# Allegro board TDI_KU5P_QSFP28_CXP_V001-20240805_1841.brd (continued)
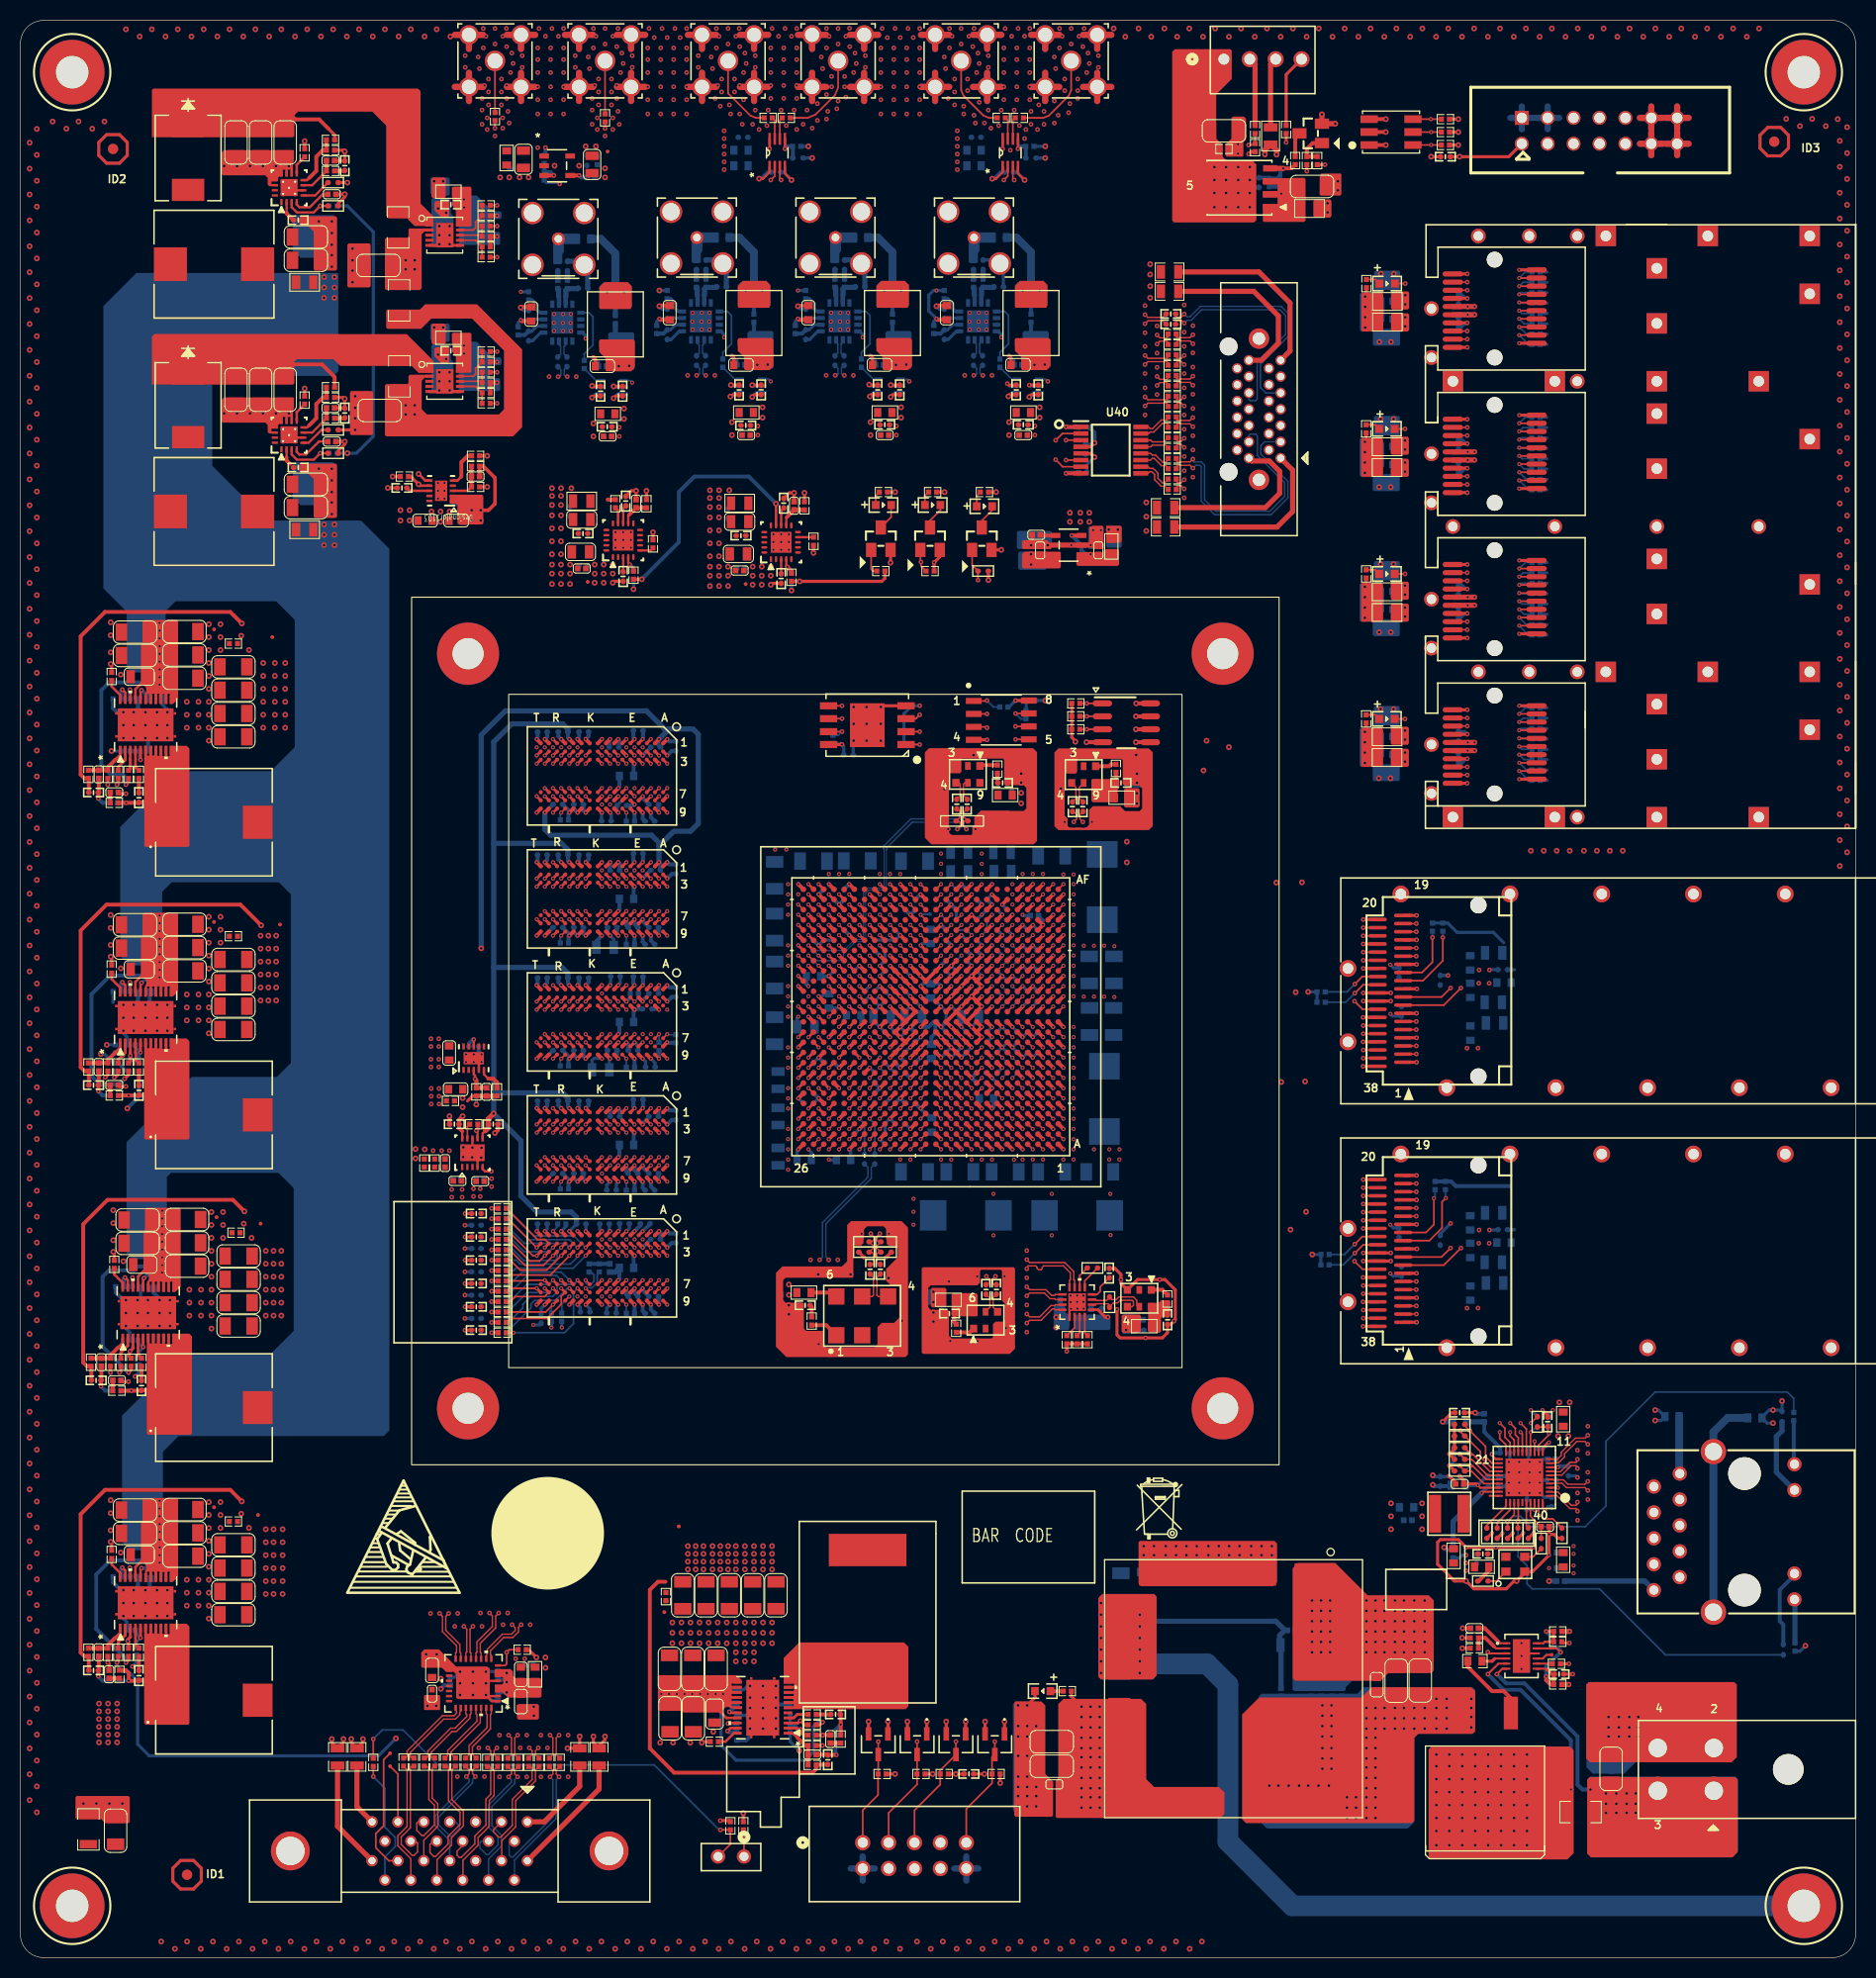
[diagram p0: board, top side]
## Nets (continued)
CHA_FPGA_DDR4_C1_D16: U1.AE17(IO_L17P_T2U_N8_AD10P_64) U6.G2(DQ0)
CHA_FPGA_DDR4_C1_D17: U1.AD19(IO_L14N_T2L_N3_GC_64) U6.F7(DQ1)
CHA_FPGA_DDR4_C1_D18: U1.AF17(IO_L17N_T2U_N9_AD10N_64) U6.H3(DQ2)
CHA_FPGA_DDR4_C1_D19: U1.AF19(IO_L15N_T2L_N5_AD11N_64) U6.H7(DQ3)
CHA_FPGA_DDR4_C1_D20: U1.AD16(IO_L18P_T2U_N10_AD2P_64) U6.H2(DQ4)
CHA_FPGA_DDR4_C1_D21: U1.AC19(IO_L14P_T2L_N2_GC_64) U6.H8(DQ5)
CHA_FPGA_DDR4_C1_D22: U1.AE16(IO_L18N_T2U_N11_AD2N_64) U6.J3(DQ6)
CHA_FPGA_DDR4_C1_D23: U1.AF18(IO_L15P_T2L_N4_AD11P_64) U6.J7(DQ7)
CHA_FPGA_DDR4_C1_D24: U1.Y17(IO_L23P_T3U_N8_64) U6.A3(DQ8)
CHA_FPGA_DDR4_C1_D25: U1.AA18(IO_L24N_T3U_N11_64) U6.B8(DQ9)
CHA_FPGA_DDR4_C1_D26: U1.AA17(IO_L23N_T3U_N9_64) U6.C3(DQ10)
CHA_FPGA_DDR4_C1_D27: U1.AB19(IO_L20N_T3L_N3_AD1N_64) U6.C7(DQ11)
CHA_FPGA_DDR4_C1_D28: U1.AB20(IO_L21N_T3L_N5_AD8N_64) U6.C2(DQ12)
CHA_FPGA_DDR4_C1_D29: U1.AA19(IO_L20P_T3L_N2_AD1P_64) U6.C8(DQ13)
CHA_FPGA_DDR4_C1_D30: U1.AA20(IO_L21P_T3L_N4_AD8P_64) U6.D3(DQ14)
CHA_FPGA_DDR4_C1_D31: TP14.1(PIN1) U1.Y18(IO_L24P_T3U_N10_64) U6.D7(DQ15)
CHA_FPGA_DDR4_C1_D32: U1.L20(IO_L6P_T0U_N10_AD6P_66) U7.G2(DQ0)
CHA_FPGA_DDR4_C1_D33: U1.K21(IO_L5P_T0U_N8_AD14P_66) U7.F7(DQ1)
CHA_FPGA_DDR4_C1_D34: U1.M21(IO_L2N_T0L_N3_66) U7.H3(DQ2)
CHA_FPGA_DDR4_C1_D35: U1.J20(IO_L3N_T0L_N5_AD15N_66) U7.H7(DQ3)
CHA_FPGA_DDR4_C1_D36: U1.J21(IO_L5N_T0U_N9_AD14N_66) U7.H2(DQ4)
CHA_FPGA_DDR4_C1_D37: U1.J19(IO_L3P_T0L_N4_AD15P_66) U7.H8(DQ5)
CHA_FPGA_DDR4_C1_D38: U1.M20(IO_L2P_T0L_N2_66) U7.J3(DQ6)
CHA_FPGA_DDR4_C1_D39: U1.K20(IO_L6N_T0U_N11_AD6N_66) U7.J7(DQ7)
CHA_FPGA_DDR4_C1_D40: U1.K25(IO_L9P_T1L_N4_AD12P_66) U7.A3(DQ8)
CHA_FPGA_DDR4_C1_D41: U1.K22(IO_L11P_T1U_N8_GC_66) U7.B8(DQ9)
CHA_FPGA_DDR4_C1_D42: U1.M25(IO_L8P_T1L_N2_AD5P_66) U7.C3(DQ10)
CHA_FPGA_DDR4_C1_D43: U1.J24(IO_L12N_T1U_N11_GC_66) U7.C7(DQ11)
CHA_FPGA_DDR4_C1_D44: U1.M26(IO_L8N_T1L_N3_AD5N_66) U7.C2(DQ12)
CHA_FPGA_DDR4_C1_D45: U1.J23(IO_L12P_T1U_N10_GC_66) U7.C8(DQ13)
CHA_FPGA_DDR4_C1_D46: U1.K23(IO_L11N_T1U_N9_GC_66) U7.D3(DQ14)
CHA_FPGA_DDR4_C1_D47: TP18.1(PIN1) U1.K26(IO_L9N_T1L_N5_AD12N_66) U7.D7(DQ15)
CHA_FPGA_DDR4_C1_D48: U1.H24(IO_L14N_T2L_N3_GC_66) U9.G2(DQ0)
CHA_FPGA_DDR4_C1_D49: U1.H23(IO_L14P_T2L_N2_GC_66) U9.F7(DQ1)
CHA_FPGA_DDR4_C1_D50: U1.J26(IO_L15N_T2L_N5_AD11N_66) U9.H3(DQ2)
CHA_FPGA_DDR4_C1_D51: U1.H22(IO_L18N_T2U_N11_AD2N_66) U9.H7(DQ3)
CHA_FPGA_DDR4_C1_D52: U1.H26(IO_L17P_T2U_N8_AD10P_66) U9.H2(DQ4)
CHA_FPGA_DDR4_C1_D53: U1.H21(IO_L18P_T2U_N10_AD2P_66) U9.H8(DQ5)
CHA_FPGA_DDR4_C1_D54: U1.J25(IO_L15P_T2L_N4_AD11P_66) U9.J3(DQ6)
CHA_FPGA_DDR4_C1_D55: U1.G26(IO_L17N_T2U_N9_AD10N_66) U9.J7(DQ7)
CHA_FPGA_DDR4_C1_D56: U1.D24(IO_L21P_T3L_N4_AD8P_66) U9.A3(DQ8)
CHA_FPGA_DDR4_C1_D57: U1.C26(IO_L23N_T3U_N9_66) U9.B8(DQ9)
CHA_FPGA_DDR4_C1_D58: U1.E23(IO_L20N_T3L_N3_AD1N_66) U9.C3(DQ10)
CHA_FPGA_DDR4_C1_D59: U1.D26(IO_L23P_T3U_N8_66) U9.C7(DQ11)
CHA_FPGA_DDR4_C1_D60: U1.F23(IO_L20P_T3L_N2_AD1P_66) U9.C2(DQ12)
CHA_FPGA_DDR4_C1_D61: U1.D25(IO_L21N_T3L_N5_AD8N_66) U9.C8(DQ13)
CHA_FPGA_DDR4_C1_D62: U1.B26(IO_L24N_T3U_N11_66) U9.D3(DQ14)
CHA_FPGA_DDR4_C1_D63: TP23.1(PIN1) U1.B25(IO_L24P_T3U_N10_66) U9.D7(DQ15)
CHA_FPGA_DDR4_C1_D64: U1.R20(IO_L21P_T3L_N4_AD8P_D06_65) U8.G2(DQ0)
CHA_FPGA_DDR4_C1_D65: U1.N22(IO_L24N_T3U_N11_DOUT_CSO_B_65) U8.F7(DQ1)
CHA_FPGA_DDR4_C1_D66: U1.P21(IO_L20N_T3L_N3_AD1N_D09_65) U8.H3(DQ2)
CHA_FPGA_DDR4_C1_D67: U1.P19(IO_L23N_T3U_N9_PERSTN1_I2C_SDA_) U8.H7(DQ3)
CHA_FPGA_DDR4_C1_D68: U1.R21(IO_L21N_T3L_N5_AD8N_D07_65) U8.H2(DQ4)
CHA_FPGA_DDR4_C1_D69: U1.N21(IO_L24P_T3U_N10_EMCCLK_65) U8.H8(DQ5)
CHA_FPGA_DDR4_C1_D70: U1.P20(IO_L20P_T3L_N2_AD1P_D08_65) U8.J3(DQ6)
CHA_FPGA_DDR4_C1_D71: TP17.1(PIN1) U1.N19(IO_L23P_T3U_N8_I2C_SCLK_65) U8.J7(DQ7)
CHA_FPGA_DDR4_C1_DM0: U1.AE25(IO_L1P_T0L_N0_DBC_64) U5.E7(LDM_N/LDBI_N)
CHA_FPGA_DDR4_C1_DM1: U1.AE22(IO_L7P_T1L_N0_QBC_AD13P_64) U5.E2(UDM_N/UDBI_N)
CHA_FPGA_DDR4_C1_DM2: U1.AD20(IO_L13P_T2L_N0_GC_QBC_64) U6.E7(LDM_N/LDBI_N)
CHA_FPGA_DDR4_C1_DM3: U1.Y20(IO_L19P_T3L_N0_DBC_AD9P_64) U6.E2(UDM_N/UDBI_N)
CHA_FPGA_DDR4_C1_DM4: U1.L18(IO_L1P_T0L_N0_DBC_66) U7.E7(LDM_N/LDBI_N)
CHA_FPGA_DDR4_C1_DM5: U1.L22(IO_L7P_T1L_N0_QBC_AD13P_66) U7.E2(UDM_N/UDBI_N)
CHA_FPGA_DDR4_C1_DM6: U1.G24(IO_L13P_T2L_N0_GC_QBC_66) U9.E7(LDM_N/LDBI_N)
CHA_FPGA_DDR4_C1_DM7: U1.E25(IO_L19P_T3L_N0_DBC_AD9P_66) U9.E2(UDM_N/UDBI_N)
CHA_FPGA_DDR4_C1_DM8: U1.R22(IO_L19P_T3L_N0_DBC_AD9P_D10_65) U8.E7(LDM_N/LDBI_N)
CHA_FPGA_DDR4_C1_DQS0_N: U1.AD26(IO_L4N_T0U_N7_DBC_AD7N_64) U5.F3(LDQS_C)
CHA_FPGA_DDR4_C1_DQS0_P: U1.AC26(IO_L4P_T0U_N6_DBC_AD7P_64) U5.G3(LDQS_T)
CHA_FPGA_DDR4_C1_DQS1_N: TP13.1(PIN1) U1.AB22(IO_L10N_T1U_N7_QBC_AD4N_64) U5.A7(UDQS_C)
CHA_FPGA_DDR4_C1_DQS1_P: TP12.1(PIN1) U1.AA22(IO_L10P_T1U_N6_QBC_AD4P_64) U5.B7(UDQS_T)
CHA_FPGA_DDR4_C1_DQS2_N: U1.AD18(IO_L16N_T2U_N7_QBC_AD3N_64) U6.F3(LDQS_C)
CHA_FPGA_DDR4_C1_DQS2_P: U1.AC18(IO_L16P_T2U_N6_QBC_AD3P_64) U6.G3(LDQS_T)
CHA_FPGA_DDR4_C1_DQS3_N: TP16.1(PIN1) U1.AC17(IO_L22N_T3U_N7_DBC_AD0N_64) U6.A7(UDQS_C)
CHA_FPGA_DDR4_C1_DQS3_P: TP15.1(PIN1) U1.AB17(IO_L22P_T3U_N6_DBC_AD0P_64) U6.B7(UDQS_T)
CHA_FPGA_DDR4_C1_DQS4_N: U1.L19(IO_L4N_T0U_N7_DBC_AD7N_66) U7.F3(LDQS_C)
CHA_FPGA_DDR4_C1_DQS4_P: U1.M19(IO_L4P_T0U_N6_DBC_AD7P_66) U7.G3(LDQS_T)
CHA_FPGA_DDR4_C1_DQS5_N: TP22.1(PIN1) U1.L25(IO_L10N_T1U_N7_QBC_AD4N_66) U7.A7(UDQS_C)
CHA_FPGA_DDR4_C1_DQS5_P: TP21.1(PIN1) U1.L24(IO_L10P_T1U_N6_QBC_AD4P_66) U7.B7(UDQS_T)
CHA_FPGA_DDR4_C1_DQS6_N: U1.F25(IO_L16N_T2U_N7_QBC_AD3N_66) U9.F3(LDQS_C)
CHA_FPGA_DDR4_C1_DQS6_P: U1.F24(IO_L16P_T2U_N6_QBC_AD3P_66) U9.G3(LDQS_T)
CHA_FPGA_DDR4_C1_DQS7_N: TP25.1(PIN1) U1.C24(IO_L22N_T3U_N7_DBC_AD0N_66) U9.A7(UDQS_C)
CHA_FPGA_DDR4_C1_DQS7_P: TP24.1(PIN1) U1.D23(IO_L22P_T3U_N6_DBC_AD0P_66) U9.B7(UDQS_T)
CHA_FPGA_DDR4_C1_DQS8_N: TP20.1(PIN1) U1.P23(IO_L22N_T3U_N7_DBC_AD0N_D05_65) U8.F3(LDQS_C)
CHA_FPGA_DDR4_C1_DQS8_P: TP19.1(PIN1) U1.N23(IO_L22P_T3U_N6_DBC_AD0P_D04_65) U8.G3(LDQS_T)
CHA_FPGA_DDR4_C1_ODT: R94.1 U1.Y25(IO_L8P_T1L_N2_AD5P_A16_65) U5.K3(ODT) U6.K3(ODT) U7.K3(ODT) U8.K3(ODT) U9.K3(ODT)
CHA_FPGA_DDR4_C1_PARITY: R99.1 U1.U21(IO_L2P_T0L_N2_FOE_B_65) U5.T3(PAR) U6.T3(PAR) U7.T3(PAR) U8.T3(PAR) U9.T3(PAR)
CHA_FPGA_DDR4_C1_RAS: R90.1 U1.T22(IO_L5P_T0U_N8_AD14P_A22_65) U5.L8(RAS_N/A16) U6.L8(RAS_N/A16) U7.L8(RAS_N/A16) U8.L8(RAS_N/A16) U9.L8(RAS_N/A16)
CHA_FPGA_DDR4_C1_RESET: R69.2 U1.U19(IO_L1P_T0L_N0_DBC_RS0_65) U5.P1(RESET_N) U6.P1(RESET_N) U7.P1(RESET_N) U8.P1(RESET_N) U9.P1(RESET_N)
CHA_FPGA_DDR4_C1_WE: R93.1 U1.AA24(IO_L9P_T1L_N4_AD12P_A14_D30_65) U5.L2(WE_N/A14) U6.L2(WE_N/A14) U7.L2(WE_N/A14) U8.L2(WE_N/A14) U9.L2(WE_N/A14)
CHA_FPGA_DONE_B: Q1.1(GATE) R9.2 U1.AB11(DONE_0)
CHA_FPGA_INIT_B: R2.2 U1.W10(INIT_B_0)
CHA_FPGA_MODE0: R14.2 R15.1 U1.AA10(M0_0)
CHA_FPGA_MODE1: R12.2 R13.1 U1.AA9(M1_0)
CHA_FPGA_MODE2: R10.2 R11.1 U1.AF12(M2_0)
CHA_FPGA_POR_OVERRIDE: R7.2 R8.1 U1.Y12(POR_OVERRIDE)
CHA_FPGA_PROG_B: R3.2 U1.AB9(PROGRAM_B_0)
CHA_FPGA_PUDC_B: R4.2 R5.1 U1.W9(PUDC_B_0)
CHA_FPGA_TCK: D4.3 J1.1 R19.1 U1.AE12(TCK_0)
CHA_FPGA_TDI: D1.3 J1.9 R22.1 U1.AB12(TDI_0)
CHA_FPGA_TDO: D3.3 J1.3 R20.1 U1.Y10(TDO_0)
CHA_FPGA_TMS: D2.3 J1.5 R21.1 U1.AB10(TMS_0)
CHA_GPIO_3V3_0: U1.W16(IO_L9P_AD3P_84) U40.2(DIN1)
CHA_GPIO_3V3_1: U1.AB16(IO_L6N_HDGC_AD6N_84) U40.3(DIN2)
CHA_GPIO_3V3_2: U1.AE15(IO_L3N_AD9N_84) U40.6(DIN3)
CHA_GPIO_3V3_3: U1.AF15(IO_L1N_AD11N_84) U40.7(DIN4)
CHA_GPIO_3V3_4: U1.G12(IO_L5P_HDGC_87) U41.2(A1)
CHA_GPIO_3V3_5: U1.G11(IO_L4N_AD8N_86) U41.3(A2)
CHA_GPIO_3V3_6: U1.Y13(IO_L11P_AD1P_84) U42.2(A1)
CHA_GPIO_3V3_7: U1.W13(IO_L12N_AD0N_84) U42.3(A2)
CHA_GPIO_3V3_8: J3.5 U1.J10(IO_L2N_AD10N_86)
CHA_GPIO_3V3_9: J3.7 U1.J9(IO_L3P_AD9P_86)
CHA_GPIO_3V3_10: J3.9 U1.G9(IO_L5N_HDGC_AD7N_86)
CHA_GPIO_3V3_11: J3.6 U1.K10(IO_L1P_AD11P_86)
CHA_GPIO_3V3_12: J3.8 U1.K9(IO_L1N_AD11N_86)
CHA_GPIO_3V3_13: J3.10 U1.H9(IO_L3N_AD9N_86)
CHA_GPIO_3V3_14: R360.1 U1.AD13(IO_L4P_AD8P_84)
CHA_GPIO_3V3_15: R357.1 U1.AA13(IO_L11N_AD1N_84)
CHA_MGTAVCC: C113.1(CAP2) C114.1(CAP2) C115.1(CAP2) C116.1(CAP2) C117.1(CAP2) C118.1(CAP2) C119.1(CAP2) C120.1(CAP2) C121.1(CAP2) C122.1(CAP2) C123.2(CAP1) C124.2(CAP1) C125.2(CAP1) C126.2(CAP1) C127.2(CAP1) C128.1(CAP2) C129.1(CAP2) C130.1(CAP2) C131.1(CAP2) C132.1(CAP2) C370.1 C371.1 C372.1 C373.1(CAP2) R218.2 TP30.1(PIN1) U1.AA7(MGTAVCC1_R) U1.AC7(MGTAVCC2_R) U1.J7(MGTAVCC3_R) U1.L7(MGTAVCC4_R) U1.N7(MGTAVCC5_R) U1.W7(MGTAVCC6_R) U23.1(OUT) U23.2(SNS) U23.19(OUT_1) U23.20(OUT_2)
CHA_MGTAVCC_GOOD: R216.1 U24.14(EN)
CHA_MGTAVTT: C92.1(CAP2) C93.1(CAP2) C94.1(CAP2) C95.1(CAP2) C96.1(CAP2) C97.2(CAP1) C98.2(CAP1) C99.2(CAP1) C100.2(CAP1) C101.2(CAP1) C102.1(CAP2) C103.1(CAP2) C104.1(CAP2) C105.1(CAP2) C106.1(CAP2) C379.1 C380.1 C381.1 C382.1(CAP2) R55.1 R225.2 TP31.1(PIN1) U1.A7(MGTAVTT1_R) U1.AB5(MGTAVTT2_R) U1.AD8(MGTAVTTRCAL_R) U1.AE7(MGTAVTT3_R) U1.C7(MGTAVTT4_R) U1.E7(MGTAVTT5_R) U1.F5(MGTAVTT6_R) U1.G7(MGTAVTT7_R) U1.H5(MGTAVTT8_R) U1.K5(MGTAVTT9_R) U1.M5(MGTAVTT10_R) U1.P5(MGTAVTT11_R) U1.T5(MGTAVTT12_R) U1.V5(MGTAVTT13_R) U1.Y5(MGTAVTT14_R) U24.1(OUT) U24.2(SNS) U24.19(OUT_1) U24.20(OUT_2)
CHA_MGTAVTT_GOOD: R222.1 R224.2 R281.2
CHA_MGTH224_RXN0: C285.2(CAP1) U1.AF1(MGTYRXN0_224)
CHA_MGTH224_RXN1: C281.2(CAP1) U1.AE3(MGTYRXN1_224)
CHA_MGTH224_RXN2: C309.2(CAP1) U1.AD1(MGTYRXN2_224)
CHA_MGTH224_RXN3: C305.2(CAP1) U1.AB1(MGTYRXN3_224)
CHA_MGTH224_RXP0: C283.2(CAP1) U1.AF2(MGTYRXP0_224)
CHA_MGTH224_RXP1: C279.2(CAP1) U1.AE4(MGTYRXP1_224)
CHA_MGTH224_RXP2: C307.2(CAP1) U1.AD2(MGTYRXP2_224)
CHA_MGTH224_RXP3: C303.2(CAP1) U1.AB2(MGTYRXP3_224)
CHA_MGTH_224_CLK0_N: C47.2(CAP1) X2.5(CLKN)
CHA_MGTH_224_CLK0_P: C46.2(CAP1) X2.4(CLKP)
CHA_MGTH_225_CLK0_N: C49.2(CAP1) U38.16(OUT3_N)
CHA_MGTH_225_CLK0_P: C48.2(CAP1) U38.15(OUT3_P)
CHA_MGTH_226_CLK0_N: C53.2(CAP1) U38.14(OUT2_N)
CHA_MGTH_226_CLK0_P: C51.2(CAP1) U38.13(OUT2_P)
CHA_MGTH_226_CLK1_N: C55.2(CAP1) X3.5(CLKN)
CHA_MGTH_226_CLK1_P: C54.2(CAP1) X3.4(CLKP)
CHA_MGTH_227_CLK0_N: C52.2(CAP1) U38.12(OUT1_N)
CHA_MGTH_227_CLK0_P: C50.2(CAP1) U38.11(OUT1_P)
CHA_MGTVCCAUX: C107.1 C108.1(CAP2) C109.1(CAP2) C110.1(CAP2) C111.1(CAP2) C112.1(CAP2) C448.1 C449.1 R279.2 TP40.1(PIN1) U1.R7(MGTVCCAUX1_R) U1.U7(MGTVCCAUX2_R) U30.5(VOUT)
CHA_QSFP0_I2C_SCL: J4.11(SCL) R102.2 U1.D14(IO_L8P_HDGC_87)
CHA_QSFP0_I2C_SDA: J4.12(SDA) R103.2 U1.E12(IO_L7N_HDGC_87)
CHA_QSFP0_INTL: J4.28(INTL) R105.2 U1.E11(IO_L7P_HDGC_AD5P_86)
CHA_QSFP0_LPMODE: J4.31(LPMODE) U1.F13(IO_L6N_HDGC_87)
CHA_QSFP0_MODPRSL: J4.27(MODPRSL) R104.2 U1.E13(IO_L7P_HDGC_87)
CHA_QSFP0_MODSEIL: J4.8(MODSELL) U1.G14(IO_L3N_AD13N_87)
CHA_QSFP0_RESETL: J4.9(RESETL) U1.F14(IO_L6P_HDGC_87)
CHA_QSFP0_RX0_N: J4.18(RX1N) U1.D1(MGTYRXN0_227)
CHA_QSFP0_RX0_P: J4.17(RX1P) U1.D2(MGTYRXP0_227)
CHA_QSFP0_RX1_N: J4.21(RX2N) U1.C3(MGTYRXN1_227)
CHA_QSFP0_RX1_P: J4.22(RX2P) U1.C4(MGTYRXP1_227)
CHA_QSFP0_RX2_N: J4.15(RX3N) U1.B1(MGTYRXN2_227)
CHA_QSFP0_RX2_P: J4.14(RX3P) U1.B2(MGTYRXP2_227)
CHA_QSFP0_RX3_N: J4.24(RX4N) U1.A3(MGTYRXN3_227)
CHA_QSFP0_RX3_P: J4.25(RX4P) U1.A4(MGTYRXP3_227)
CHA_QSFP0_TX0_N: J4.37(TX1N) U1.F6(MGTYTXN0_227)
CHA_QSFP0_TX0_P: J4.36(TX1P) U1.F7(MGTYTXP0_227)
CHA_QSFP0_TX1_N: J4.2(TX2N) U1.E4(MGTYTXN1_227)
CHA_QSFP0_TX1_P: J4.3(TX2P) U1.E5(MGTYTXP1_227)
CHA_QSFP0_TX2_N: J4.34(TX3N) U1.D6(MGTYTXN2_227)
CHA_QSFP0_TX2_P: J4.33(TX3P) U1.D7(MGTYTXP2_227)
CHA_QSFP0_TX3_N: J4.5(TX4N) U1.B6(MGTYTXN3_227)
CHA_QSFP0_TX3_P: J4.6(TX4P) U1.B7(MGTYTXP3_227)
CHA_QSFP0_VCCI: C230.1 C231.1(CAP2) J4.30(VCCL) L6.2
CHA_QSFP0_VCCRX: C226.1 C227.1(CAP2) J4.10(VCCRX) L4.2
CHA_QSFP0_VCCTX: C228.1 C229.1(CAP2) J4.29(VCCTX) L5.2
CHA_QSFP1_I2C_SCL: J6.11(SCL) R106.2 U1.B12(IO_L10N_AD10N_87)
CHA_QSFP1_I2C_SDA: J6.12(SDA) R107.2 U1.A13(IO_L11P_AD9P_87)
CHA_QSFP1_INTL: J6.28(INTL) R109.2 U1.D13(IO_L8N_HDGC_87)
CHA_QSFP1_LPMODE: J6.31(LPMODE) U1.B14(IO_L12P_AD8P_87)
CHA_QSFP1_MODPRSL: J6.27(MODPRSL) R108.2 U1.C13(IO_L9N_AD11N_87)
CHA_QSFP1_MODSEIL: J6.8(MODSELL) U1.C14(IO_L9P_AD11P_87)
CHA_QSFP1_RESETL: J6.9(RESETL) U1.A14(IO_L12N_AD8N_87)
CHA_QSFP1_RX0_N: J6.18(RX1N) U1.M1(MGTYRXN0_226)
CHA_QSFP1_RX0_P: J6.17(RX1P) U1.M2(MGTYRXP0_226)
CHA_QSFP1_RX1_N: J6.21(RX2N) U1.K1(MGTYRXN1_226)
CHA_QSFP1_RX1_P: J6.22(RX2P) U1.K2(MGTYRXP1_226)
CHA_QSFP1_RX2_N: J6.15(RX3N) U1.H1(MGTYRXN2_226)
CHA_QSFP1_RX2_P: J6.14(RX3P) U1.H2(MGTYRXP2_226)
CHA_QSFP1_RX3_N: J6.24(RX4N) U1.F1(MGTYRXN3_226)
CHA_QSFP1_RX3_P: J6.25(RX4P) U1.F2(MGTYRXP3_226)
CHA_QSFP1_TX0_N: J6.37(TX1N) U1.N4(MGTYTXN0_226)
CHA_QSFP1_TX0_P: J6.36(TX1P) U1.N5(MGTYTXP0_226)
CHA_QSFP1_TX1_N: J6.2(TX2N) U1.L4(MGTYTXN1_226)
CHA_QSFP1_TX1_P: J6.3(TX2P) U1.L5(MGTYTXP1_226)
CHA_QSFP1_TX2_N: J6.34(TX3N) U1.J4(MGTYTXN2_226)
CHA_QSFP1_TX2_P: J6.33(TX3P) U1.J5(MGTYTXP2_226)
CHA_QSFP1_TX3_N: J6.5(TX4N) U1.G4(MGTYTXN3_226)
CHA_QSFP1_TX3_P: J6.6(TX4P) U1.G5(MGTYTXP3_226)
CHA_QSFP1_VCCI: C238.1 C239.1(CAP2) J6.30(VCCL) L9.2
CHA_QSFP1_VCCRX: C234.1 C235.1(CAP2) J6.10(VCCRX) L7.2
CHA_QSFP1_VCCTX: C236.1 C237.1(CAP2) J6.29(VCCTX) L8.2
CHA_QSPI_FLASH_CE_B: R16.2 U1.AA12(RDWR_FCS_B_0) U2.1(C\S\)
CHA_QSPI_FLASH_CLK: R1.1 U2.6(CLK)
CHA_QSPI_FLASH_D0: U1.AD11(D00_MOSI_0) U2.5(DI/IO0)
CHA_QSPI_FLASH_D1: U1.AC12(D01_DIN_0) U2.2(DO/IO1)
CHA_QSPI_FLASH_D2: R17.2 U1.AC11(D02_0) U2.3(\W\P\/IO2)
CHA_QSPI_FLASH_D3: R18.2 U1.AE11(D03_0) U2.7(\H\O\L\D\/IO3)
CHA_SFP0_VCCRX: C245.1 C246.1(CAP2) L10.2 P1.A15(A_VCCR)
CHA_SFP0_VCCTX: C240.1(CAP2) C247.1 L11.2 P1.A16(A_VCCT)
CHA_SFP1_VCCRX: C241.1 C242.1(CAP2) L12.2 P1.B15(B_VCCR)
CHA_SFP1_VCCTX: C250.1 C251.1(CAP2) L13.2 P1.B16(B_VCCT)
CHA_SFP2_VCCRX: C254.1 C255.1(CAP2) L14.2 P1.C15(C_VCCR)
CHA_SFP2_VCCTX: C256.1 C257.1(CAP2) L15.2 P1.C16(C_VCCT)
CHA_SFP3_VCCRX: C260.1 C261.1(CAP2) L16.2 P1.D15(D_VCCR)
CHA_SFP3_VCCTX: C262.1 C263.1(CAP2) L17.2 P1.D16(D_VCCT)
CHA_SFP+_0_LOS: DS4.2 P1.A8(A_LOS) R117.2 U1.B11(IO_L12N_AD0N_86)
CHA_SFP+_0_MOD_DETECT: P1.A6(A_MOD_ABS) R115.2 U1.D11(IO_L8P_HDGC_AD4P_86)
CHA_SFP+_0_RS0: P1.A7(A_RS0) R111.2
CHA_SFP+_0_RS1: P1.A9(A_RS1) R116.2
CHA_SFP+_0_RXD_N: P1.A12(A_RXD_N) U1.P1(MGTYRXN3_225)
CHA_SFP+_0_RXD_P: P1.A13(A_RXD_P) U1.P2(MGTYRXP3_225)
CHA_SFP+_0_SCL: P1.A5(A_SCL) R114.2
CHA_SFP+_0_SDA: P1.A4(A_SDA) R110.2
CHA_SFP+_0_TX_DISABLE: P1.A3(A_TX_DISABLE) R113.2 U1.C12(IO_L10P_AD10P_87)
CHA_SFP+_0_TX_FAULT: P1.A2(A_TX_FAULT) R112.2 U1.A12(IO_L11N_AD9N_87)
CHA_SFP+_0_TXD_N: P1.A19(A_TXD_N) U1.R4(MGTYTXN3_225)
CHA_SFP+_0_TXD_P: P1.A18(A_TXD_P) U1.R5(MGTYTXP3_225)
CHA_SFP+_1_LOS: DS5.2 P1.B8(B_LOS) R125.2 U1.D10(IO_L8N_HDGC_AD4N_86)
CHA_SFP+_1_MOD_DETECT: P1.B6(B_MOD_ABS) R122.2 U1.B10(IO_L11P_AD1P_86)
CHA_SFP+_1_RS0: P1.B7(B_RS0) R123.2
CHA_SFP+_1_RS1: P1.B9(B_RS1) R124.2
CHA_SFP+_1_RXD_N: P1.B12(B_RXD_N) U1.T1(MGTYRXN2_225)
CHA_SFP+_1_RXD_P: P1.B13(B_RXD_P) U1.T2(MGTYRXP2_225)
CHA_SFP+_1_SCL: P1.B5(B_SCL) R121.2
CHA_SFP+_1_SDA: P1.B4(B_SDA) R120.2
CHA_SFP+_1_TX_DISABLE: P1.B3(B_TX_DISABLE) R119.2 U1.A10(IO_L11N_AD1N_86)
CHA_SFP+_1_TX_FAULT: P1.B2(B_TX_FAULT) R118.2 U1.C11(IO_L12P_AD0P_86)
CHA_SFP+_1_TXD_N: P1.B19(B_TXD_N) U1.U4(MGTYTXN2_225)
CHA_SFP+_1_TXD_P: P1.B18(B_TXD_P) U1.U5(MGTYTXP2_225)
CHA_SFP+_2_LOS: DS6.2 P1.C8(C_LOS) R133.2 U1.D9(IO_L9P_AD3P_86)
CHA_SFP+_2_MOD_DETECT: P1.C6(C_MOD_ABS) R130.2 U1.C9(IO_L9N_AD3N_86)
CHA_SFP+_2_RS0: P1.C7(C_RS0) R131.2
CHA_SFP+_2_RS1: P1.C9(C_RS1) R132.2
CHA_SFP+_2_RXD_N: P1.C12(C_RXD_N) U1.V1(MGTYRXN1_225)
CHA_SFP+_2_RXD_P: P1.C13(C_RXD_P) U1.V2(MGTYRXP1_225)
CHA_SFP+_2_SCL: P1.C5(C_SCL) R129.2
CHA_SFP+_2_SDA: P1.C4(C_SDA) R128.2
CHA_SFP+_2_TX_DISABLE: P1.C3(C_TX_DISABLE) R127.2 U1.B9(IO_L10P_AD2P_86)
CHA_SFP+_2_TX_FAULT: P1.C2(C_TX_FAULT) R126.2 U1.A9(IO_L10N_AD2N_86)
CHA_SFP+_2_TXD_N: P1.C19(C_TXD_N) U1.W4(MGTYTXN1_225)
CHA_SFP+_2_TXD_P: P1.C18(C_TXD_P) U1.W5(MGTYTXP1_225)
CHA_SFP+_3_LOS: DS7.2 P1.D8(D_LOS) R141.2 U1.F9(IO_L6N_HDGC_AD6N_86)
CHA_SFP+_3_MOD_DETECT: P1.D6(D_MOD_ABS) R138.2 U1.G10(IO_L5P_HDGC_AD7P_86)
CHA_SFP+_3_RS0: P1.D7(D_RS0) R139.2
CHA_SFP+_3_RS1: P1.D9(D_RS1) R140.2
CHA_SFP+_3_RXD_N: P1.D12(D_RXD_N) U1.Y1(MGTYRXN0_225)
CHA_SFP+_3_RXD_P: P1.D13(D_RXD_P) U1.Y2(MGTYRXP0_225)
CHA_SFP+_3_SCL: P1.D5(D_SCL) R137.2
CHA_SFP+_3_SDA: P1.D4(D_SDA) R136.2
CHA_SFP+_3_TX_DISABLE: P1.D3(D_TX_DISABLE) R135.2 U1.F10(IO_L6P_HDGC_AD6P_86)
CHA_SFP+_3_TX_FAULT: P1.D2(D_TX_FAULT) R134.2 U1.E10(IO_L7N_HDGC_AD5N_86)
CHA_SFP+_3_TXD_N: P1.D19(D_TXD_N) U1.AA4(MGTYTXN0_225)
CHA_SFP+_3_TXD_P: P1.D18(D_TXD_P) U1.AA5(MGTYTXP0_225)
CHA_TEMP_ALERT: R31.2 U1.AA15(IO_L7N_HDGC_AD5N_84) U4.3(ALERT)
CHA_TEMP_SCL: R30.2 U1.AB14(IO_L8N_HDGC_AD4N_84) U4.2(SCL)
CHA_TEMP_SDA: R29.2 U1.AB15(IO_L6P_HDGC_AD6P_84) U4.1(SDA)
CHA_VCCAUX: C86.1 C87.1 C88.1(CAP2) C89.1(CAP2) C90.1(CAP2) C91.1(CAP2) L3.1 U1.M18(VCCAUX1) U1.N18(VCCAUX2) U1.P18(VCCAUX1_IO) U1.R18(VCCAUX2_IO) U1.T18(VCCAUX3_IO)
CHA_VCCINT: C56.1 C57.1 C58.1 C59.1 C60.1(CAP2) C61.1(CAP2) C62.1(CAP2) C63.1(CAP2) C64.1(CAP2) C65.1(CAP2) C66.1(CAP2) C67.1 C68.1 C69.1(CAP2) C70.1(CAP2) C71.1(CAP2) C72.1(CAP2) C73.1(CAP2) C74.1(CAP2) C75.1(CAP2) C76.1(CAP2) C78.1(CAP2) C79.1(CAP2) C80.1(CAP2) C81.1(CAP2) C82.1(CAP2) C83.1(CAP2) C84.1(CAP2) C85.1(CAP2) C337.2(CAP1) C340.1(CAP2) C341.1(CAP2) C342.1(CAP2) C343.1(CAP2) C344.1(CAP2) L39.1 R7.1 R191.1 R198.2 TP26.1(PIN1) U1.K11(VCCINT1) U1.K13(VCCINT2) U1.K15(VCCINT3) U1.K17(VCCINT4) U1.L9(VCCINT1_IO) U1.L10(VCCINT5) U1.L12(VCCINT6) U1.L14(VCCINT7) U1.L16(VCCINT8) U1.M9(VCCINT4_IO) U1.M11(VCCINT9) U1.M13(VCCINT10) U1.M15(VCCINT11) U1.M17(VCCINT12) U1.N9(VCCINT3_IO) U1.N10(VCCINT13) U1.N12(VCCINT14) U1.N16(VCCINT15) U1.P9(VCCINT2_IO) U1.P11(VCCINT16) U1.P15(VCCINT17) U1.P17(VCCINT18) U1.R9(VCCBRAM1) U1.R10(VCCINT19) U1.R12(VCCINT20) U1.R16(VCCINT21) U1.T9(VCCBRAM2) U1.T11(VCCINT22) U1.T15(VCCINT23) U1.T17(VCCINT24) U1.U9(VCCBRAM3) U1.U10(VCCINT25) U1.U12(VCCINT26) U1.U14(VCCINT27) U1.U16(VCCINT28) U1.V9(VCCBRAM4) U1.V11(VCCINT29) U1.V13(VCCINT30) U1.V15(VCCINT31) U1.V17(VCCINT32)
CHA_VCCINT_EN: C351.1(CAP2) R200.2 R201.2 U21.2(EN)
CHA_VCCINT_GOOD: R199.2 R253.2 U21.3(PGOOD)
CLK_SEL: J2.2 R26.1 R384.1 U1.J15(IO_L4P_AD12P_87)
DDR4_1V2: C29.1 C30.1 C31.1(CAP2) C32.1(CAP2) C33.1(CAP2) C34.1 C35.1 C36.1(CAP2) C37.1(CAP2) C38.1(CAP2) C41.1 C42.1 C43.1(CAP2) C44.1(CAP2) C45.1(CAP2) C135.1 C136.1 C137.1(CAP2) C138.1(CAP2) C139.1(CAP2) C140.1(CAP2) C141.1(CAP2) C142.1(CAP2) C143.1 C144.1 C145.1 C146.1 C148.1 C149.1(CAP2) C150.1(CAP2) C151.1(CAP2) C152.1(CAP2) C153.1(CAP2) C154.1(CAP2) C155.1 C156.1 C157.1 C158.1 C162.1 C163.1(CAP2) C164.1(CAP2) C165.1(CAP2) C166.1(CAP2) C167.1(CAP2) C168.1(CAP2) C169.1 C170.1 C171.1 C172.1 C179.1 C180.1 C181.1(CAP2) C182.1(CAP2) C183.1(CAP2) C184.1(CAP2) C185.1(CAP2) C186.1(CAP2) C187.1 C188.1 C189.1 C190.1 C191.1 C192.1(CAP2) C193.1(CAP2) C194.1(CAP2) C195.1(CAP2) C196.1(CAP2) C197.1(CAP2) C198.1 C199.1 C200.1 C201.1 C217.1 C218.1 C223.2(CAP1) C387.2(CAP1) C390.1(CAP2) C391.1(CAP2) C392.1(CAP2) C393.1(CAP2) L43.2 R49.2 R50.2 R60.1 R61.2 R68.1 R91.1 R228.1 R235.2 R238.1 TP32.1(PIN1) U1.AA21(VCCO0_64) U1.AB18(VCCO1_64) U1.AD22(VCCO2_64) U1.E24(VCCO0_66) U1.H25(VCCO1_66) U1.J22(VCCO2_66) U1.P22(VCCO0_65) U1.U23(VCCO1_65) U1.Y24(VCCO2_65) U5.A1(VDDQ1) U5.A9(VDDQ2) U5.B3(VDD1) U5.B9(VDD2) U5.C1(VDDQ3) U5.D1(VDD3) U5.D9(VDDQ4) U5.F2(VDDQ5) U5.F8(VDDQ6) U5.G1(VDDQ7) U5.G7(VDD4) U5.G9(VDDQ8) U5.J1(VDD5) U5.J2(VDDQ9) U5.J8(VDDQ10) U5.J9(VDD6) U5.L1(VDD7) U5.L9(VDD8) U5.R1(VDD9) U5.T9(VDD10) U6.A1(VDDQ1) U6.A9(VDDQ2) U6.B3(VDD1) U6.B9(VDD2) U6.C1(VDDQ3) U6.D1(VDD3) U6.D9(VDDQ4) U6.F2(VDDQ5) U6.F8(VDDQ6) U6.G1(VDDQ7) U6.G7(VDD4) U6.G9(VDDQ8) U6.J1(VDD5) U6.J2(VDDQ9) U6.J8(VDDQ10) U6.J9(VDD6) U6.L1(VDD7) U6.L9(VDD8) U6.R1(VDD9) U6.T9(VDD10) U7.A1(VDDQ1) U7.A9(VDDQ2) U7.B3(VDD1) U7.B9(VDD2) U7.C1(VDDQ3) U7.D1(VDD3) U7.D9(VDDQ4) U7.F2(VDDQ5) U7.F8(VDDQ6) U7.G1(VDDQ7) U7.G7(VDD4) U7.G9(VDDQ8) U7.J1(VDD5) U7.J2(VDDQ9) U7.J8(VDDQ10) U7.J9(VDD6) U7.L1(VDD7) U7.L9(VDD8) U7.R1(VDD9) U7.T9(VDD10) U8.A1(VDDQ1) U8.A9(VDDQ2) U8.B3(VDD1) U8.B9(VDD2) U8.C1(VDDQ3) U8.D1(VDD3) U8.D9(VDDQ4) U8.F2(VDDQ5) U8.F8(VDDQ6) U8.G1(VDDQ7) U8.G7(VDD4) U8.G9(VDDQ8) U8.J1(VDD5) U8.J2(VDDQ9) U8.J8(VDDQ10) U8.J9(VDD6) U8.L1(VDD7) U8.L9(VDD8) U8.R1(VDD9) U8.T9(VDD10) U9.A1(VDDQ1) U9.A9(VDDQ2) U9.B3(VDD1) U9.B9(VDD2) U9.C1(VDDQ3) U9.D1(VDD3) U9.D9(VDDQ4) U9.F2(VDDQ5) U9.F8(VDDQ6) U9.G1(VDDQ7) U9.G7(VDD4) U9.G9(VDDQ8) U9.J1(VDD5) U9.J2(VDDQ9) U9.J8(VDDQ10) U9.J9(VDD6) U9.L1(VDD7) U9.L9(VDD8) U9.R1(VDD9) U9.T9(VDD10) U10.2(VLDOIN)
DDR4_1V2_EN: R260.1 R261.1 U25.2(EN)
DDR4_1V2_GOOD: R237.2 R264.2 U25.3(PGOOD)
DDR4_200M_N: C40.1(CAP2) X1.5(CLKN)
DDR4_200M_P: C39.1(CAP2) X1.4(CLKP)
EEPROM_CS_B: R24.2 U1.AF14(IO_L1P_AD11P_84) U3.1(C\S\)
EEPROM_SCK: U1.AD14(IO_L4N_AD8N_84) U3.6(SCK)
EEPROM_SI: U1.W12(IO_L12P_AD0P_84) U3.5(SI)
EEPROM_SO: U1.AD15(IO_L3P_AD9P_84) U3.2(SO)
EEPROM_WP_B: U1.Y16(IO_L9N_AD3N_84) U3.3(W\P\)
FPGA_25M_OSC_ETH: C319.1(CAP2) R173.2 U19.37(XTAL_OUT/EXT_CLK)
FPGA_ETH_LED0: R183.1 U19.32(LED_0/CFG_EXT)
FPGA_ETH_LED1: R186.1 R189.1 U19.33(LED_1/CFG_LDO0)
FPGA_ETH_LED2: R184.1 R187.2 U19.34(LED_2/CFG_LDO1)
FPGA_ETH_RESET_B: R169.1 U1.J14(IO_L4N_AD12N_87)
FPGA_ETH_RST_B: C315.1(CAP2) R169.2 R170.1 U19.12(PHYRSTB)
FPGA_RGMII_MDC: U1.G16(IO_L5N_T0U_N9_AD14N_67) U19.13(MDC)
FPGA_RGMII_MDIO: R166.1 U1.G15(IO_L1P_T0L_N0_DBC_67) U19.14(MDIO)
FPGA_RGMII_RX_CLK: R180.1 U1.E18(IO_L11P_T1U_N8_GC_67) U19.27(RX_CLK/PHYAD1)
FPGA_RGMII_RX_CTL: R182.1 U1.D21(IO_L20N_T3L_N3_AD1N_67) U19.26(RX_CTRL/PHYAD2)
FPGA_RGMII_RXD0: R174.2 R175.1 U1.B16(IO_T2U_N12_67) U19.25(RX_D0/RXDLY)
FPGA_RGMII_RXD1: R176.2 R177.1 U1.E21(IO_L20P_T3L_N2_AD1P_67) U19.24(RX_D1/TXDLY)
FPGA_RGMII_RXD2: R178.2 R179.1 U1.F18(IO_L8P_T1L_N2_AD5P_67) U19.23(RX_D2/PLLOFF)
FPGA_RGMII_RXD3: R181.1 U1.F15(IO_L1N_T0L_N1_DBC_67) U19.22(RX_D3/PHYAD0)
FPGA_RGMII_TX_CLK: U1.H18(IO_L7P_T1L_N0_QBC_AD13P_67) U19.20(GTX_CLK)
FPGA_RGMII_TX_CTL: U1.G19(IO_T1U_N12_67) U19.19(TX_CTRL)
FPGA_RGMII_TXD0: U1.H17(IO_L2P_T0L_N2_67) U19.18(TD_D0)
FPGA_RGMII_TXD1: U1.G17(IO_L2N_T0L_N3_67) U19.17(TD_D1)
FPGA_RGMII_TXD2: U1.D18(IO_L11N_T1U_N9_GC_67) U19.16(TD_D2)
FPGA_RGMII_TXD3: U1.H16(IO_L5P_T0U_N8_AD14P_67) U19.15(TD_D3)
FPGA_TIMING_LVDS_EN: R367.2 U1.H14(IO_L3P_AD13P_87) U43.8(EN)
HARD_ID_GPIO1: J22.6 R779.2 U1.J11(IO_L2P_AD10P_86)
HARD_ID_GPIO2: J22.5 R780.2 U1.H11(IO_L4P_AD8P_86)
HARD_ID_GPIO3: J22.4 R781.2 U1.J12(IO_L1P_AD15P_87)
INPUT_GND: C461.2 C462.2 C463.1(CAP2) C464.1(CAP2) C465.1(CAP2) C466.2 C467.1(CAP2) C471.1(CAP2) C473.2 C474.1(CAP2) C475.2 C476.2 C477.1(CAP2) C478.2(CAP1) C479.2(CAP1) J13.2(GND#2) J13.4(GND#4) R291.1 R292.2 R395.2 TP44.1(PIN1) U33.10(GND) U33.13(HOTGND) U111.1(BUS-1) U111.15(BUS-2) U111.16(BUS-3)
LAN_MDI0_N: J12.3 U19.2(MDIN0)
LAN_MDI0_P: J12.2 U19.1(MDIP0)
LAN_MDI1_N: J12.7 U19.5(MDIN1)
LAN_MDI1_P: J12.4 U19.4(MDIP1)
LAN_MDI2_N: J12.6 U19.7(MDIN2)
LAN_MDI2_P: J12.5 U19.6(MDIP2)
LAN_MDI3_N: J12.9 U19.10(MDIN3)
LAN_MDI3_P: J12.8 U19.9(MDIP3)
RF_FPS_TRIGGER_N: U1.A23(IO_L19N_T3L_N1_DBC_AD9N_67) U43.12(IN1-)
RF_FPS_TRIGGER_N_C: J21.8(SERTFG-) R377.1
RF_FPS_TRIGGER_P: U1.A22(IO_L19P_T3L_N0_DBC_AD9P_67) U43.11(IN1+)
RF_FPS_TRIGGER_P_C: J21.21(SERTFG+) R375.1
RF_MOD_IN_FIXED_N: U1.B24(IO_L21N_T3L_N5_AD8N_67) U43.14(IN2-)
RF_MOD_IN_FIXED_N_C: J21.9(CC1-) R379.1
RF_MOD_IN_FIXED_P: U1.C23(IO_L21P_T3L_N4_AD8P_67) U43.13(IN2+)
RF_MOD_IN_FIXED_P_C: J21.22(CC1+) R378.1
RF_MOD_IN_VARIABLE_N: U1.A25(IO_L23N_T3U_N9_67) U43.16(IN3-)
RF_MOD_IN_VARIABLE_N_C: J21.23(CC2-) R383.1
RF_MOD_IN_VARIABLE_P: U1.A24(IO_L23P_T3U_N8_67) U43.15(IN3+)
RF_MOD_IN_VARIABLE_P_C: J21.10(CC2+) R381.1
RF_SYNC_N: R376.1 U1.A20(IO_L18N_T2U_N11_AD2N_67)
RF_SYNC_P: R374.1 U1.A19(IO_L18P_T2U_N10_AD2P_67)
TIMING_SPI_CLK_N: U1.B22(IO_L24N_T3U_N11_67) U43.10(IN0-)
TIMING_SPI_CLK_N_C: J21.20(SERTC-) R373.1
TIMING_SPI_CLK_P: U1.C22(IO_L24P_T3U_N10_67) U43.9(IN0+)
TIMING_SPI_CLK_P_C: J21.7(SERTC+) R371.1
TIMING_SPI_CSN_N: R372.1 U1.B20(IO_L14N_T2L_N3_GC_67)
TIMING_SPI_CSN_P: R370.1 U1.B19(IO_L14P_T2L_N2_GC_67)
TIMING_SPI_MISO_N: R382.1 U1.B21(IO_L22N_T3U_N7_DBC_AD0N_67)
TIMING_SPI_MISO_P: R380.1 U1.C21(IO_L22P_T3U_N6_DBC_AD0P_67)
TIMING_SPI_MOSI_N: R369.1 U1.A18(IO_L16N_T2U_N7_QBC_AD3N_67)
TIMING_SPI_MOSI_P: R368.1 U1.A17(IO_L16P_T2U_N6_QBC_AD3P_67)
TO_CAMERA_CLK_N: C529.2(CAP1) U1.B17(IO_L15N_T2L_N5_AD11N_67)
TO_CAMERA_CLK_P: C528.2(CAP1) U1.C17(IO_L15P_T2L_N4_AD11P_67)
TO_CAMERA_LVDS0_N: R341.1 U1.A15(IO_L17N_T2U_N9_AD10N_67)
TO_CAMERA_LVDS0_P: R340.1 U1.B15(IO_L17P_T2U_N8_AD10P_67)
TO_CAMERA_LVDS1_N: R344.1 U1.E17(IO_L4N_T0U_N7_DBC_AD7N_67)
TO_CAMERA_LVDS1_P: R343.1 U1.E16(IO_L4P_T0U_N6_DBC_AD7P_67)
TO_CAMERA_LVDS2_N: R348.1 U1.D15(IO_L3N_T0L_N5_AD15N_67)
TO_CAMERA_LVDS2_P: R347.1 U1.E15(IO_L3P_T0L_N4_AD15P_67)
TO_CAMERA_LVDS3_N: R352.1 U1.C16(IO_L6N_T0U_N11_AD6N_67)
TO_CAMERA_LVDS3_P: R351.1 U1.D16(IO_L6P_T0U_N10_AD6P_67)
TO_CAMERA_RSV0_N: J14.18(CC1-) R338.1
TO_CAMERA_RSV0_P: J14.5(CC1+) R335.1
TO_CAMERA_RSV1_N: J14.4(CC2-) R342.1
TO_CAMERA_RSV1_P: J14.17(CC2+) R336.1
TO_CAMERA_RSV2_N: J14.16(CC3-) R346.1
TO_CAMERA_RSV2_P: J14.3(CC3+) R345.1
TO_CAMERA_RSV3_N: J14.2(CC4-) R350.1
TO_CAMERA_RSV3_P: J14.15(CC4+) R349.1
TO_DATA_ACQ_1_CLK_N: C28.1(CAP2) J21.5(XCLK-)
TO_DATA_ACQ_1_CLK_P: C27.1(CAP2) J21.18(XCLK+)
VREG_1: C389.1(CAP2) R237.1 U25.18(VREG)
VREG_2: C404.1(CAP2) R249.1 U26.18(VREG)
VREG_3: C419.1(CAP2) R268.1 U27.18(VREG)
VREG_4: C339.1(CAP2) R199.1 U21.18(VREG)
VREG_5: C356.1(CAP2) R212.1 U22.18(VREG)
N23163314: C223.1(CAP2) R100.2 R101.2
